# Altium PCB PCB_数电实验板_2022-03-12.pcbdoc (part 2 of 2)
Units mm, origin at the board's own origin, x right, y up, seen from the top; angles counter-clockwise.
Board outline 266.65 x 159.4 mm, 2 copper layers (Top Layer, Bottom Layer); 213 components, 166 nets, 778 pads, 0 vias.
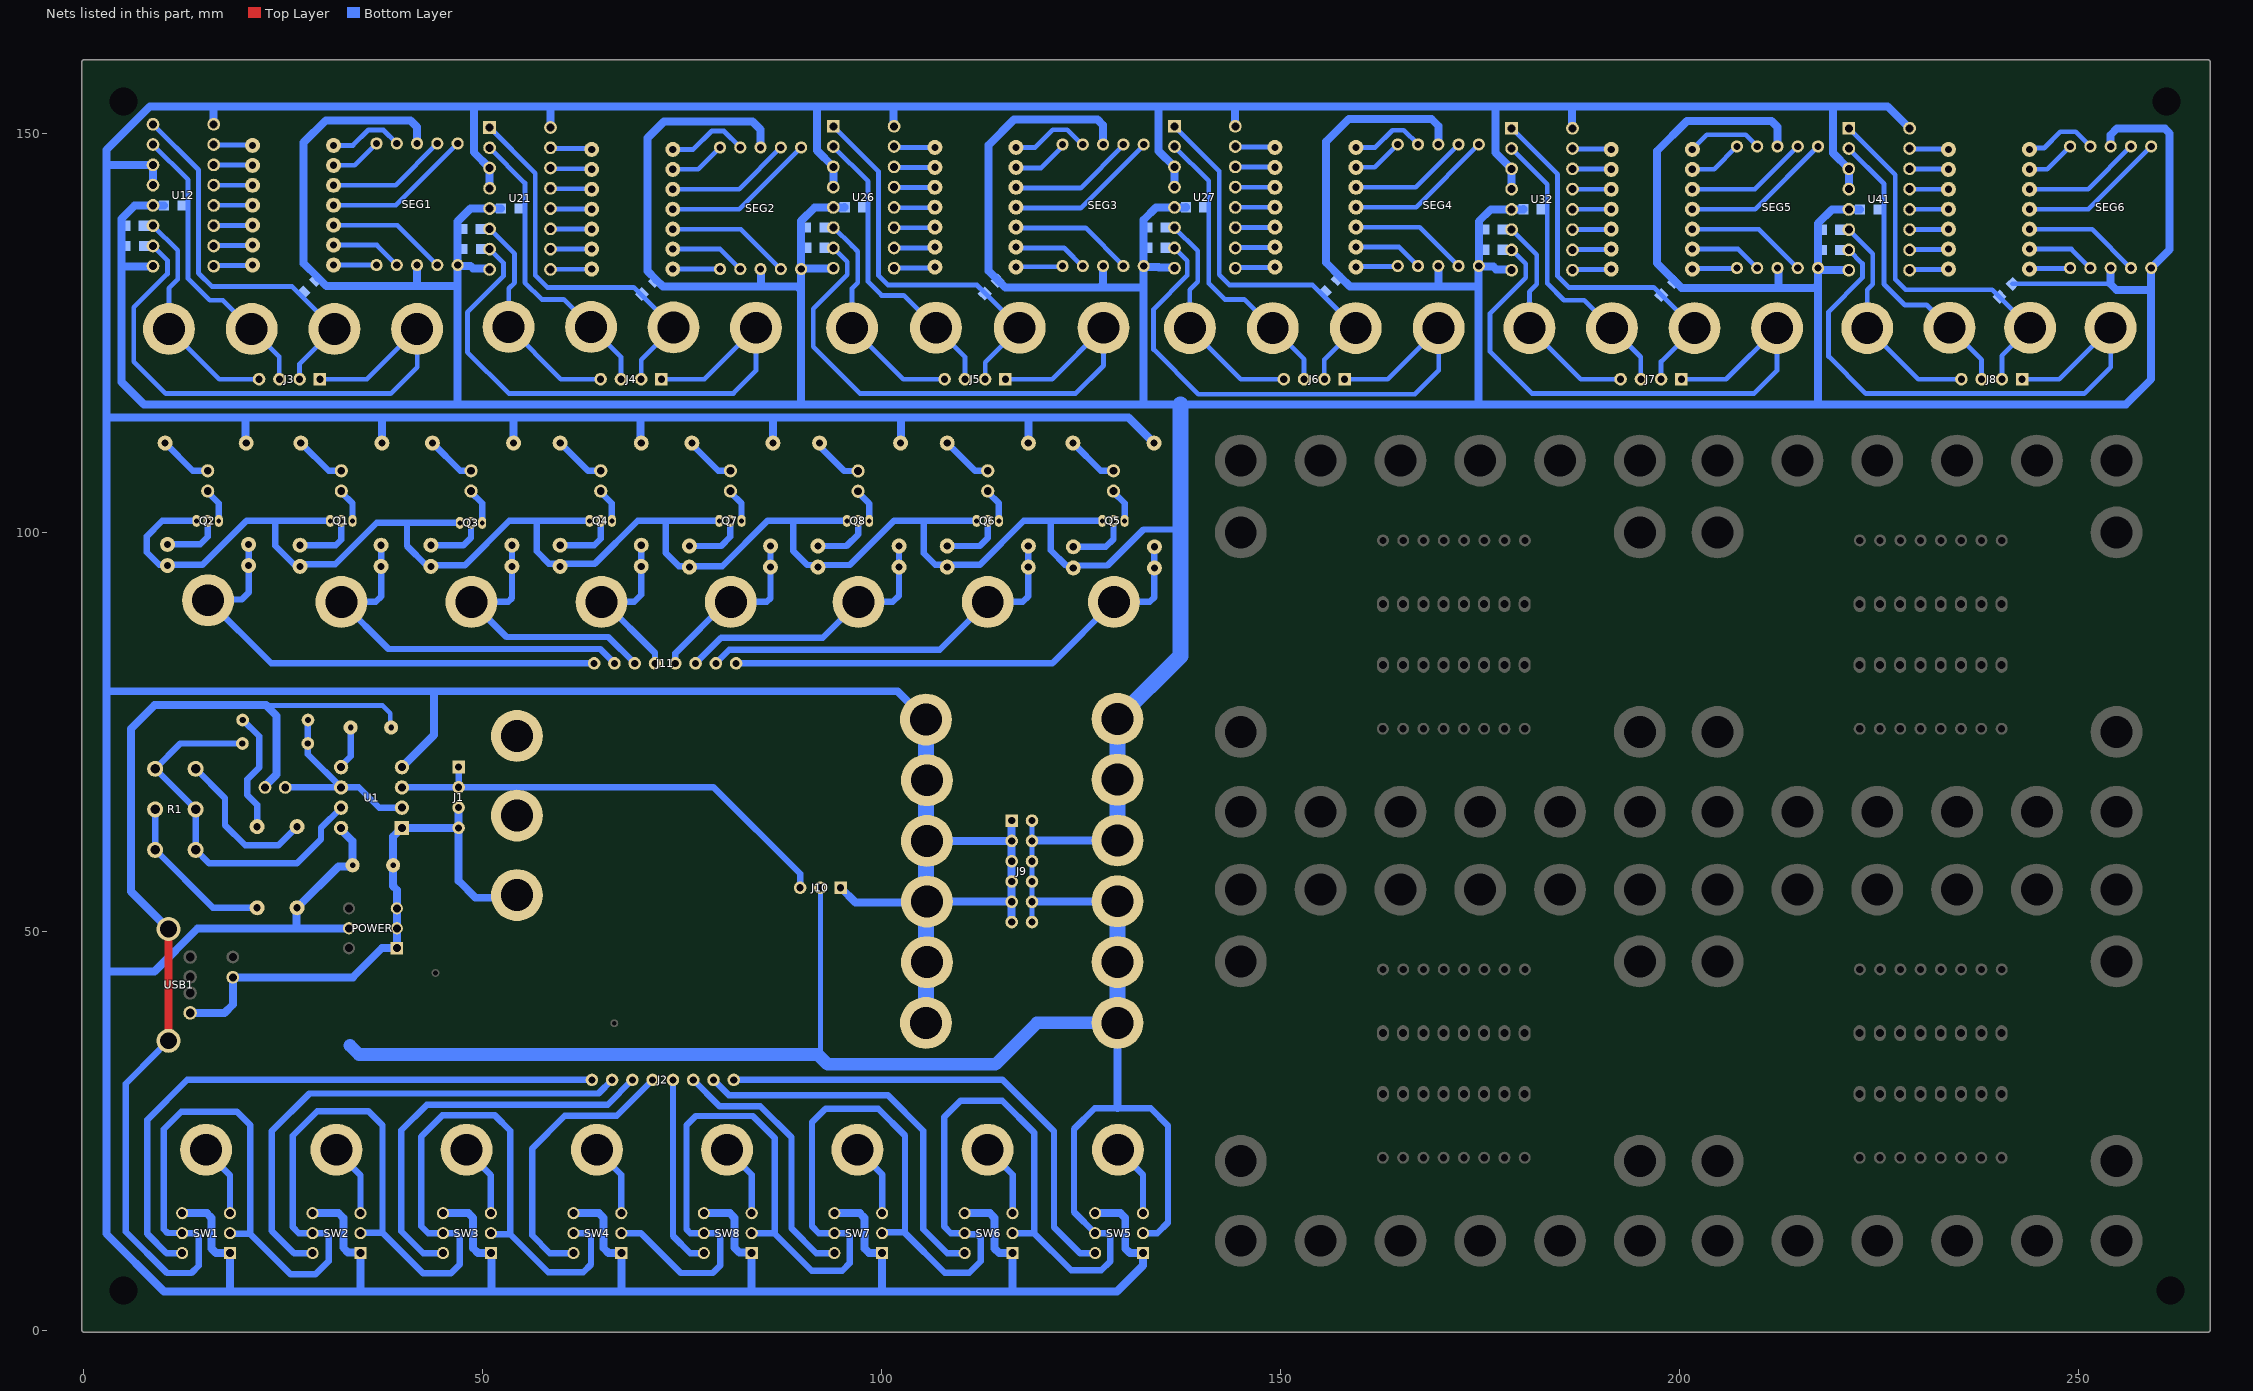
[diagram p2: the nets of this part, all layers, seen from the top]

## Nets (pads, with @x,y where several pads share a name; then routed paths per layer and width w, separated by ;. In a path a pad name is that pad's centre, name@x,y a point inside that pad or via, vN(x,y) a via of type N, cw(c..) or ccw(c..) an arc to the next point about the centre after c; other vN are vias at no path point) (continued)
GND: C1.2 C2.1 C3.1 C4.2 GND.1 J1.3 J1.4 J9.2 J9.4 J9.6 J9.8 J9.10 J9.12 J10.2 POWER.1 POWER.2 POWER.3 Q1.1 Q2.1 Q3.1 Q4.1 Q5.1 Q6.1 Q7.1 Q8.1 R62.1 R63.1 R64.1 R65.1 R66.1 R67.1 R68.1 R69.1 R70.2 R71.2 R72.2 R73.1 R74.2 R75.2 R76.2 R77.1 R78.2 R79.2 R80.2 R81.1 R82.2 R83.2 R84.2 R85.1 R86.2 R87.2 R88.2 R89.1 R90.2 R91.2 R92.2 R93.1 SEG1.3 SEG1.5 SEG1.8 SEG2.3 SEG2.5 SEG2.8 SEG3.3 SEG3.5 SEG3.8 SEG4.3 SEG4.5 SEG4.8 SEG5.3 SEG5.5 SEG5.8 SEG6.3 SEG6.5 SEG6.8 SW1.2 SW1.5 SW2.2 SW2.5 SW3.2 SW3.5 SW4.2 SW4.5 SW5.2 SW5.5 SW6.2 SW6.5 SW7.2 SW7.5 SW8.2 SW8.5 U1.1 U12.5 U12.8 U21.5 U21.8 U26.5 U26.8 U27.5 U27.8 U32.5 U32.8 U41.5 U41.8 U48.1 U49.1 U50.1 U51.1 U52.1 U53.1 USB1.4 USB1.SH1 USB1.SH2 | length 1909.2
  Top Layer w1: USB1.SH1@10.645,36.3 USB1.SH2@10.645,50.3
  Bottom Layer w0.6: 22.85,78.35 22.9,78.3 37.475,78.3 38.436,77.339 38.436,75.654 C2.1@38.54,75.55 ; 92,34.6 92.325,34.925 J10.2@92.325,55.475 ; J9.12@118.84,51.18 J9.10@118.84,53.72 ; J9.2@118.84,63.88 J9.4@118.84,61.34 J9.6@118.84,58.8 J9.8@118.84,56.26 J9.10@118.84,53.72 ; J9.10@118.872,53.752 J9.10@118.84,53.72 ; U52.1@129.518,53.752 U52.1@129.55,53.784 ; R93.1@241.707,131.15 254.225,131.15
  Bottom Layer w0.8: USB1.SH1@10.645,36.3 10.625,36.3 9.425,35.1 9.425,35.08 5.275,30.93 5.275,12.375 10.45,7.2 13.525,7.2 14.425,8.1 14.425,11.731 13.956,12.2 SW1.5@12.35,12.2 ; SW1.5@12.338,12.212 10.519,12.212 10.05,12.681 10.05,25.225 12.25,27.425 19.225,27.425 20.9,25.75 20.9,12.125 ; Q2.1@14.153,101.45 9.85,101.45 7.9,99.5 7.9,97.5 9.469,95.931 10.515,95.931 14.906,95.931 20.425,101.45 24.025,101.45 ; SW1.2@18.35,12.2 18.425,12.125 20.9,12.125 ; Q1.1@30.903,101.45 24.025,101.45 ; SW2.2@34.693,12.2 34.743,12.25 37.45,12.25 ; Q3.1@47.153,101.2 40.525,101.2 ; SW3.2@51.036,12.2 51.162,12.075 53.45,12.075 ; SW4.5@61.38,12.2 63.106,12.2 63.575,11.732 63.575,8.275 62.606,7.306 58.219,7.306 53.45,12.075 ; Q4.1@63.403,101.45 56.775,101.45 ; SW4.2@67.38,12.2 69.85,12.2 74.844,7.206 78.831,7.206 79.775,8.15 79.775,11.732 79.306,12.2 SW8.5@77.723,12.2 76.019,12.2 75.55,12.669 75.55,25.725 76.7,26.875 83.85,26.875 86.6,24.125 86.6,12.2 ; Q7.1@79.653,101.45 72.925,101.45 ; SW8.2@83.723,12.2 86.6,12.2 ; Q8.1@95.653,101.45 88.925,101.45 ; SW7.2@100.066,12.2 100.166,12.3 102.925,12.3 ; SW6.5@110.409,12.2 108.675,12.2 107.85,13.025 107.85,26.75 109.875,28.775 115.125,28.775 119.1,24.8 119.1,12.2 ; SW6.5@110.548,12.062 111.931,12.062 112.4,11.593 112.4,8.675 110.975,7.25 107.9,7.25 102.925,12.225 102.925,12.3 ; Q6.1@111.903,101.45 105.275,101.45 ; SW6.2@116.409,12.2 119.1,12.2 ; Q5.1@127.653,101.45 121.2,101.45 ; SW5.2@132.752,12.2 134.55,12.2 135.875,13.525 135.875,25.675 133.7,27.85 129.575,27.85 126.7,27.85 124.1,25.25 124.1,14.853 SW5.5@126.752,12.2 128.156,12.2 128.625,11.732 128.625,8.65 127.506,7.531 123.769,7.531 119.1,12.2 ; 137.425,100.369 132.819,100.369 128.3,95.85 124.015,95.85 123.1,95.85 121.2,97.75 121.2,101.45 ; 20.9,12.125 20.9,12.1 25.975,7.025 29.05,7.025 30.725,8.7 30.725,11.732 30.256,12.2 SW2.5@28.693,12.2 26.975,12.2 26.2,12.975 26.2,24.4 29.275,27.475 35.7,27.475 37.45,25.725 37.45,12.25 ; 24.025,101.45 24.025,98.325 26.35,96 27.12,96 31.55,96 36.75,101.2 40.525,101.2 ; 37.45,12.25 42.55,7.15 46,7.15 47.125,8.275 47.125,11.727 46.656,12.196 45.041,12.196 SW3.5@45.036,12.2 43.175,12.2 42.3,13.075 42.3,24.3 44.95,26.95 51.55,26.95 53.45,25.05 53.45,12.075 ; 40.525,101.2 40.525,98.3 42.925,95.9 47.8,95.9 53.35,101.45 56.775,101.45 ; 56.775,101.45 56.775,97.625 58.3,96.1 59.715,96.1 64.075,96.1 69.425,101.45 72.925,101.45 ; 72.925,101.45 72.925,97.45 74.6,95.775 75.908,95.775 80.025,95.775 85.7,101.45 88.925,101.45 ; 86.6,12.2 86.6,12.125 91.244,7.481 95.056,7.481 96.025,8.45 96.025,11.732 95.556,12.2 SW7.5@94.066,12.2 92.125,12.2 91.275,13.05 91.275,26.075 92.975,27.775 99.575,27.775 102.925,24.425 102.925,12.3 ; 88.925,101.45 88.925,97.675 90.675,95.925 92.015,95.925 96.025,95.925 101.55,101.45 105.275,101.45 ; 105.275,101.45 105.275,97.4 106.725,95.95 108.215,95.95 112.325,95.95 117.825,101.45 121.2,101.45
  Bottom Layer w1: U12.8@8.69,133.36 8.68,133.35 4.75,133.35 ; R72.2@10.089,140.975 10.086,140.978 8.693,140.978 U12.5@8.69,140.98 8.65,140.94 6.39,140.94 4.75,139.3 4.75,133.35 ; USB1.SH1@10.645,36.3 USB1.SH1@10.897,36.552 ; USB1.SH2@10.645,50.3 5.95,54.995 5.95,75.4 8.9,78.35 22.85,78.35 ; USB1.4@13.221,39.666 USB1.4@13.355,39.8 17.675,39.8 18.7,40.825 C4.2@18.7,44.26 33.735,44.26 37.375,47.9 POWER.1@39.25,47.9 POWER.2@39.25,50.4 POWER.3@39.25,52.9 39.25,55.225 38.79,55.685 C3.1@38.79,58.3 38.79,61.873 U1.1@39.888,62.971 39.897,62.981 46.99,62.981 J1.4@47,62.99 ; C1.2@22.73,68.05 22.73,68.212 24.175,69.657 24.175,77.025 22.9,78.3 ; SEG1.3@41.79,133.5 41.79,130.985 41.925,130.85 ; SEG1.8@41.79,148.74 41.79,150.81 40.975,151.625 30.35,151.625 27.575,148.85 27.575,133.725 29.4,131.9 30.45,130.85 41.925,130.85 ; J1.3@47,65.53 J1.4@47,62.99 ; U21.8@50.88,132.96 50.765,133.075 48.825,133.075 48.5,133.4 46.97,133.4 SEG1.5@46.87,133.5 ; R74.2@52.321,140.575 52.316,140.58 U21.5@50.88,140.58 48.48,140.58 46.87,138.97 SEG1.5@46.87,133.5 ; GND.1@54.3,54.55 53.975,54.225 49.125,54.225 47,56.35 J1.4@47,62.99 ; SEG2.3@84.83,133 84.875,132.955 84.875,130.8 ; SEG2.8@84.83,148.24 84.83,150.505 83.835,151.5 72.725,151.5 70.65,149.425 70.65,132.75 71.75,131.65 72.6,130.8 84.875,130.8 ; U26.8@93.94,133.11 93.885,133.055 89.965,133.055 SEG2.5@89.91,133 ; R78.2@95.371,140.75 95.361,140.74 93.95,140.74 U26.5@93.94,140.73 91.605,140.73 89.91,139.035 SEG2.5@89.91,133 ; J9.4@118.84,61.34 118.87,61.37 129.52,61.37 U51.1@129.55,61.4 ; J9.10@118.872,53.752 U52.1@129.518,53.752 ; SEG3.3@127.75,133.38 127.75,131.1 127.325,130.675 ; SEG3.8@127.75,148.62 127.75,151.025 127.05,151.725 116.575,151.725 113.414,148.564 113.414,132.761 114.588,131.587 115.5,130.675 127.325,130.675 ; U48.1@129.55,38.55 129.575,38.525 129.575,27.85 ; U27.8@136.69,133.11 136.575,133.225 134.725,133.225 134.67,133.28 132.93,133.28 SEG3.5@132.83,133.38 ; R82.2@138.121,140.75 138.111,140.74 136.7,140.74 U27.5@136.69,140.73 134.38,140.73 132.83,139.18 132.83,138.2 132.83,135.675 SEG3.5@132.83,133.38 ; SEG4.3@169.75,133.38 169.775,133.355 169.775,130.8 ; SEG4.8@169.75,148.62 169.75,150.95 168.875,151.825 158.55,151.825 155.7,148.975 155.7,133.8 157.45,132.05 158.7,130.8 169.775,130.8 ; U32.8@178.94,132.86 178.825,132.975 177,132.975 176.675,133.3 174.85,133.3 SEG4.5@174.8,133.35 ; R86.2@180.407,140.5 180.397,140.49 178.95,140.49 U32.5@178.94,140.48 176.33,140.48 174.83,138.98 SEG4.5@174.83,133.38 SEG4.5@174.8,133.35 ; SEG5.3@212.25,133.13 212.35,133.03 212.35,130.65 ; SEG5.8@212.25,148.37 212.25,150.8 211.5,151.55 200.9,151.55 197.125,147.775 197.125,133.75 199.566,131.309 200.225,130.65 212.35,130.65 ; U41.8@221.19,132.86 217.741,132.86 217.472,133.13 SEG5.5@217.33,133.13 ; R90.2@222.607,140.475 222.602,140.48 U41.5@221.19,140.48 219.08,140.48 217.33,138.73 217.33,137.925 217.33,135.4 SEG5.5@217.33,133.13 ; SEG6.3@254,133.13 253.95,133.08 253.95,131.15 254.75,130.35 259.08,130.35 ; SEG6.8@254,148.37 254,149.825 254.775,150.6 260.789,150.6 261.375,150.014 261.375,135.425 SEG6.5@259.08,133.13 259.08,130.35 ; 4.75,133.35 4.75,118.85 7.575,116.025 46.725,116.025 ; 41.925,130.85 46.72,130.85 46.87,130.7 ; 46.725,116.025 89.925,116.025 ; 46.725,116.025 46.87,116.17 46.87,130.7 ; 46.87,130.7 SEG1.5@46.87,133.5 ; 84.875,130.8 89.45,130.8 89.925,130.325 ; SEG2.5@89.91,133 89.925,132.985 89.925,130.8 89.925,130.325 ; 89.925,116.025 132.8,116.025 ; 89.925,116.025 89.925,130.325 ; 127.325,130.675 127.75,130.675 132.55,130.675 132.8,130.925 ; 132.8,116.025 132.8,130.925 ; 132.8,116.025 137.425,116.025 174.8,116.025 ; 132.8,130.925 132.8,133.35 SEG3.5@132.83,133.38 ; 169.775,130.8 174.8,130.8 ; 174.8,116.025 174.8,130.8 ; 174.8,116.025 217.325,116.025 ; 174.8,130.8 SEG4.5@174.8,133.35 ; 212.35,130.65 216.95,130.65 217.325,131.025 ; 217.325,116.025 217.325,130.65 217.325,131.025 ; 217.325,116.025 255.9,116.025 259.08,119.205 259.08,130.35 ; 217.325,131.025 217.33,131.03 SEG5.5@217.33,133.13
  Bottom Layer w1.6: 33.4,35.7 34.5,34.6 92,34.6 93.25,33.35 114.25,33.35 119.45,38.55 U48.1@129.55,38.55
  Bottom Layer w2: U48.1@129.55,38.55 U53.1@129.55,46.167 U52.1@129.55,53.784 ; U51.1@129.55,61.4 U50.1@129.55,69.017 U49.1@129.55,76.634 137.425,84.509 137.425,100.369 137.425,116.025
J2_2: J2.2 SW2.4 | length 64
  Bottom Layer w0.8: SW2.4@28.693,9.7 26.375,9.7 23.6,12.475 23.6,25 28.3,29.7 64.53,29.7 J2.2@66.23,31.4
J2_3: J2.3 SW3.4 | length 50.6
  Bottom Layer w0.8: SW3.4@45.036,9.7 42.55,9.7 39.8,12.45 39.8,25.075 43.025,28.3 65.67,28.3 J2.3@68.77,31.4
J2_4: J2.4 SW4.4 | length 35.6
  Bottom Layer w0.8: SW4.4@61.38,9.7 58.425,9.7 56.2,11.925 56.2,22.8 60.3,26.9 66.81,26.9 J2.4@71.31,31.4
J2_5: J2.5 SW8.4 | length 24.3
  Bottom Layer w0.8: J2.5@73.85,31.4 73.85,11.85 76,9.7 SW8.4@77.723,9.7
J2_6: J2.6 SW7.4 | length 33.3
  Bottom Layer w0.8: J2.6@76.39,31.4 79.69,28.1 84.8,28.1 88.7,24.2 88.7,12.8 91.8,9.7 SW7.4@94.066,9.7
J2_7: J2.7 SW6.4 | length 47.7
  Bottom Layer w0.8: J2.7@78.93,31.4 80.83,29.5 100.75,29.5 105.2,25.05 105.2,12.7 108.2,9.7 SW6.4@110.409,9.7
J2_8: J2.8 SW5.4 | length 61.3
  Bottom Layer w0.8: J2.8@81.47,31.4 115.15,31.4 121.6,24.95 121.6,12.95 124.85,9.7 SW5.4@126.752,9.7
J11_1: J11.1 R54.2 R62.2 U55.1 | length 63.2
  Bottom Layer w0.8: R54.2@20.68,98.5 20.68,92.48 19.8,91.6 15.7,91.6 U55.1@15.6,91.5 23.5,83.6 J11.1@63.98,83.6
J11_2: J11.2 R55.2 R63.2 U54.1 | length 49.1
  Bottom Layer w0.8: R55.2@37.28,98.4 37.28,91.98 36.6,91.3 U54.1@32.3,91.3 38.2,85.4 64.72,85.4 J11.2@66.52,83.6
J11_3: J11.3 R56.2 R64.2 U56.1 | length 35.5
  Bottom Layer w0.8: R56.2@53.68,98.4 53.68,91.78 53.2,91.3 U56.1@48.6,91.3 53,86.9 65.76,86.9 J11.3@69.06,83.6
J11_4: J11.4 R57.2 R65.2 U57.1 | length 21.9
  Bottom Layer w0.8: U57.1@64.9,91.3 U57.1@65.2,91.3 ; R57.2@69.88,98.4 69.88,92.18 69,91.3 U57.1@65.2,91.3 ; J11.4@71.6,83.6 71.6,84.9 U57.1@65.2,91.3
J11_5: J11.5 R58.2 R66.2 U60.1 | length 22.6
  Bottom Layer w0.8: J11.5@74.14,83.6 74.14,84.84 80.6,91.3 U60.1@81.1,91.3 85.611,91.3 86.08,91.769 R58.2@86.08,98.3
J11_6: J11.6 R59.2 R67.2 U61.1 | length 35.2
  Bottom Layer w0.8: J11.6@76.68,83.6 79.88,86.8 92.6,86.8 U61.1@97.1,91.3 101.4,91.3 102.18,92.08 R59.2@102.18,98.3
J11_7: J11.7 R60.2 R68.2 U59.1 | length 49
  Bottom Layer w0.8: J11.7@79.22,83.6 80.92,85.3 107.3,85.3 U59.1@113.3,91.3 117.7,91.3 118.38,91.98 R60.2@118.38,98.3
J11_8: J11.8 R61.2 R69.2 U58.1 | length 62.2
  Bottom Layer w0.8: J11.8@81.76,83.6 121.4,83.6 U58.1@129.1,91.3 133.6,91.3 134.18,91.88 R61.2@134.18,98.2
LED1_1: LED1.1 R46.1 | length 6.5
  Bottom Layer w0.8: R46.1@27.22,111.2 30.7,107.72 LED1.1@32.3,107.72
LED2_2: LED2.2 Q2.3 | length 4.3
  Bottom Layer w0.8: LED2.2@15.55,105.18 15.55,105.033 16.947,103.636 Q2.3@16.947,101.45
LED3_1: LED3.1 R48.1 | length 6.3
  Bottom Layer w0.8: R48.1@43.72,111.2 47.2,107.72 LED3.1@48.55,107.72
LED4_2: LED4.2 Q4.3 | length 4.3
  Bottom Layer w0.8: LED4.2@64.8,105.18 64.8,105.033 66.197,103.636 Q4.3@66.197,101.45
LED5_1: LED5.1 R50.1 | length 6.5
  Bottom Layer w0.8: R50.1@123.97,111.2 127.45,107.72 LED5.1@129.05,107.72
LED6_2: LED6.2 Q6.3 | length 4.3
  Bottom Layer w0.8: LED6.2@113.3,105.18 113.3,105.033 114.697,103.636 Q6.3@114.697,101.45
LED7_1: LED7.1 R52.1 | length 6.4
  Bottom Layer w0.8: R52.1@76.22,111.2 76.22,111.03 79.53,107.72 LED7.1@81.05,107.72
LED8_2: LED8.2 Q8.3 | length 4.3
  Bottom Layer w0.8: LED8.2@97.05,105.16 97.05,105.013 98.447,103.616 Q8.3@98.447,101.45
Q1_2: Q1.2 R55.1 | length 7.8
  Bottom Layer w0.8: R55.1@27.12,98.4 31.6,98.4 32.3,99.1 Q1.2@32.3,101.45
Q1_3: LED1.2 Q1.3 | length 4.3
  Bottom Layer w0.8: LED1.2@32.3,105.18 32.3,105.033 33.697,103.636 Q1.3@33.697,101.45
Q2_2: Q2.2 R54.1 | length 7.4
  Bottom Layer w0.8: R54.1@10.52,98.5 14.6,98.5 15.55,99.45 Q2.2@15.55,101.45
Q3_2: Q3.2 R56.1 | length 7.3
  Bottom Layer w0.8: R56.1@43.52,98.4 47.6,98.4 48.55,99.35 Q3.2@48.55,101.2
Q3_3: LED3.2 Q3.3 | length 4.6
  Bottom Layer w0.8: LED3.2@48.55,105.18 48.55,105.033 49.947,103.636 Q3.3@49.947,101.2
Q4_2: Q4.2 R57.1 | length 7.7
  Bottom Layer w0.8: R57.1@59.72,98.4 64,98.4 64.8,99.2 Q4.2@64.8,101.45
Q5_2: Q5.2 R61.1 | length 7.7
  Bottom Layer w0.8: R61.1@124.02,98.2 128.1,98.2 129.05,99.15 Q5.2@129.05,101.45
Q5_3: LED5.2 Q5.3 | length 4.3
  Bottom Layer w0.8: LED5.2@129.05,105.18 129.05,105.033 130.447,103.636 Q5.3@130.447,101.45
Q6_2: Q6.2 R60.1 | length 7.6
  Bottom Layer w0.8: R60.1@108.22,98.3 112.3,98.3 113.3,99.3 Q6.2@113.3,101.45
Q7_2: Q7.2 R58.1 | length 7.6
  Bottom Layer w0.8: R58.1@75.92,98.3 79.9,98.3 81.05,99.45 Q7.2@81.05,101.45
Q7_3: LED7.2 Q7.3 | length 4.3
  Bottom Layer w0.8: LED7.2@81.05,105.18 81.05,105.033 82.447,103.636 Q7.3@82.447,101.45
Q8_2: Q8.2 R59.1 | length 7.3
  Bottom Layer w0.8: R59.1@92.02,98.3 95.6,98.3 97.05,99.75 Q8.2@97.05,101.45
R1_1: R1.1 R2.1 | length 19.6
  Bottom Layer w0.8: R1.1@14.04,70.38 17.72,66.7 17.72,63.33 20.25,60.8 24.42,60.8 R2.1@26.75,63.13
R1_2: D1.2 R1.2 R1.3 R1.6 U1.7 | length 47.2
  Bottom Layer w0.8: D1.2@19.9,73.55 12.13,73.55 R1.6@8.96,70.38 R1.2@14.04,65.3 R1.3@14.04,60.22 15.71,58.55 26.75,58.55 29.75,61.55 29.75,62.993 U1.7@32.268,65.511
R1_4: R1.4 R1.5 R3.1 | length 20.9
  Bottom Layer w0.8: R1.5@8.96,65.3 R1.4@8.96,60.22 16.21,52.97 R3.1@21.75,52.97
R3_2: D2.1 R3.2 | length 15.4
  Bottom Layer w0.8: D2.1@19.925,76.5 19.95,76.5 22,74.45 22,70.55 20.5,69.05 20.5,67.107 21.75,65.857 R3.2@21.75,63.13
R11_1: R11.1 U21.14 | length 5.2
  Bottom Layer w0.6: U21.14@58.5,145.66 58.58,145.58 63.59,145.58 R11.1@63.67,145.5
R11_2: R11.2 SEG2.10 | length 7.1
  Bottom Layer w0.6: R11.2@73.83,145.5 77.01,145.5 SEG2.10@79.75,148.24
R12_1: R12.1 U21.15 | length 5.3
  Bottom Layer w0.6: U21.15@58.5,148.2 58.6,148.1 63.57,148.1 R12.1@63.67,148
R12_2: R12.2 SEG2.9 | length 10.3
  Bottom Layer w0.6: R12.2@73.83,148 76.4,148 78.7,150.3 80.23,150.3 SEG2.9@82.29,148.24
R13_1: R13.1 U21.9 | length 5.2
  Bottom Layer w0.6: U21.9@58.5,132.96 58.52,132.98 63.65,132.98 R13.1@63.67,133
R13_2: R13.2 SEG2.1 | length 5.9
  Bottom Layer w0.6: R13.2@73.83,133 SEG2.1@79.75,133
R14_1: R14.1 U21.10 | length 5.2
  Bottom Layer w0.6: U21.10@58.5,135.5 R14.1@63.67,135.5
R14_2: R14.2 SEG2.2 | length 9.5
  Bottom Layer w0.6: R14.2@73.83,135.5 79.79,135.5 SEG2.2@82.29,133
R15_1: R15.1 U21.11 | length 5.2
  Bottom Layer w0.6: U21.11@58.5,138.04 58.52,138.02 63.65,138.02 R15.1@63.67,138
R15_2: R15.2 SEG2.4 | length 15.6
  Bottom Layer w0.6: R15.2@73.83,138 82.37,138 SEG2.4@87.37,133
R16_1: R16.1 U21.12 | length 5.2
  Bottom Layer w0.6: U21.12@58.5,140.58 58.54,140.54 63.63,140.54 R16.1@63.67,140.5
R16_2: R16.2 SEG2.6 | length 19.3
  Bottom Layer w0.6: R16.2@73.83,140.5 82.17,140.5 SEG2.6@89.91,148.24
R17_1: R17.1 U21.13 | length 5.2
  Bottom Layer w0.6: U21.13@58.5,143.12 58.56,143.06 63.61,143.06 R17.1@63.67,143
R17_2: R17.2 SEG2.7 | length 15.7
  Bottom Layer w0.6: R17.2@73.83,143 82.13,143 SEG2.7@87.37,148.24
R18_1: R18.1 U26.14 | length 5.2
  Bottom Layer w0.6: U26.14@101.56,145.81 101.64,145.73 106.65,145.73 R18.1@106.73,145.65
R18_2: R18.2 SEG3.10 | length 7.2
  Bottom Layer w0.6: R18.2@116.89,145.65 119.95,145.65 122.67,148.37 SEG3.10@122.67,148.62
R19_1: R19.1 U26.15 | length 5.3
  Bottom Layer w0.6: U26.15@101.56,148.35 101.66,148.25 106.63,148.25 R19.1@106.73,148.15
R19_2: R19.2 SEG3.9 | length 10
  Bottom Layer w0.6: R19.2@116.83,148.25 119.25,148.25 121.45,150.45 123.25,150.45 125.08,148.62 SEG3.9@125.21,148.62
R20_1: R20.1 U26.9 | length 5.2
  Bottom Layer w0.6: U26.9@101.56,133.11 101.58,133.13 106.71,133.13 R20.1@106.73,133.15
R20_2: R20.2 SEG3.1 | length 5.9
  Bottom Layer w0.6: R20.2@116.83,133.25 116.88,133.3 122.59,133.3 SEG3.1@122.67,133.38
R21_1: R21.1 U26.10 | length 5.2
  Bottom Layer w0.6: U26.10@101.56,135.65 R21.1@106.73,135.65
R21_2: R21.2 SEG3.2 | length 9.5
  Bottom Layer w0.6: R21.2@116.89,135.65 122.85,135.65 SEG3.2@125.35,133.15
R22_1: R22.1 U26.11 | length 5.2
  Bottom Layer w0.6: U26.11@101.56,138.19 101.58,138.17 106.71,138.17 R22.1@106.73,138.15
R22_2: R22.2 SEG3.4 | length 15.4
  Bottom Layer w0.6: R22.2@116.89,138.15 125.55,138.15 130.29,133.41 SEG3.4@130.29,133.38
R23_1: R23.1 U26.12 | length 5.2
  Bottom Layer w0.6: U26.12@101.56,140.73 101.6,140.69 106.69,140.69 R23.1@106.73,140.65
R23_2: R23.2 SEG3.6 | length 19.3
  Bottom Layer w0.6: R23.2@116.89,140.65 124.95,140.65 132.83,148.53 SEG3.6@132.83,148.62
R24_1: R24.1 U26.13 | length 5.2
  Bottom Layer w0.6: U26.13@101.56,143.27 101.62,143.21 106.67,143.21 R24.1@106.73,143.15
R24_2: R24.2 SEG3.7 | length 15.7
  Bottom Layer w0.6: R24.2@116.89,143.15 124.95,143.15 130.29,148.49 SEG3.7@130.29,148.62
R39_1: R39.1 U41.14 | length 4.9
  Bottom Layer w0.6: U41.14@228.81,145.56 228.84,145.53 233.64,145.53 R39.1@233.67,145.5
R39_2: R39.2 SEG6.10 | length 6.3
  Bottom Layer w0.6: R39.2@243.83,145.5 246.05,145.5 SEG6.10@248.92,148.37
R40_1: R40.1 U41.15 | length 4.9
  Bottom Layer w0.6: U41.15@228.81,148.1 228.86,148.05 233.62,148.05 R40.1@233.67,148
R40_2: R40.2 SEG6.9 | length 9.3
  Bottom Layer w0.6: R40.2@243.83,148 244,148.17 245.67,148.17 247.7,150.2 249.63,150.2 SEG6.9@251.46,148.37
R41_1: R41.1 U41.9 | length 4.9
  Bottom Layer w0.6: U41.9@228.81,132.86 228.88,132.93 233.6,132.93 R41.1@233.67,133
R41_2: R41.2 SEG6.1 | length 5.1
  Bottom Layer w0.6: R41.2@243.83,133 243.895,133.065 248.855,133.065 SEG6.1@248.92,133.13
R42_1: R42.1 U41.10 | length 4.9
  Bottom Layer w0.6: U41.10@228.81,135.4 228.86,135.45 233.62,135.45 R42.1@233.67,135.5
R42_2: R42.2 SEG6.2 | length 8.6
  Bottom Layer w0.6: R42.2@243.83,135.5 249.09,135.5 SEG6.2@251.46,133.13
R43_1: R43.1 U41.11 | length 4.9
  Bottom Layer w0.6: U41.11@228.81,137.94 228.84,137.97 233.64,137.97 R43.1@233.67,138
R43_2: R43.2 SEG6.4 | length 14.7
  Bottom Layer w0.6: R43.2@243.83,138 251.67,138 SEG6.4@256.54,133.13
R44_1: R44.1 U41.12 | length 4.9
  Bottom Layer w0.6: U41.12@228.81,140.48 228.82,140.49 233.66,140.49 R44.1@233.67,140.5
R44_2: R44.2 SEG6.6 | length 18.5
  Bottom Layer w0.6: R44.2@243.83,140.5 251.21,140.5 SEG6.6@259.08,148.37
R45_1: R45.1 U41.13 | length 4.9
  Bottom Layer w0.6: U41.13@228.81,143.02 228.82,143.01 233.66,143.01 R45.1@233.67,143
R45_2: R45.2 SEG6.7 | length 14.9
  Bottom Layer w0.6: R45.2@243.83,143 251.17,143 SEG6.7@256.54,148.37
R47_1: LED2.1 R47.1 | length 6.8
  Bottom Layer w0.8: R47.1@10.22,111.2 13.7,107.72 LED2.1@15.55,107.72
R49_1: LED4.1 R49.1 | length 6.5
  Bottom Layer w0.8: R49.1@59.72,111.2 63.2,107.72 LED4.1@64.8,107.72
R51_1: LED6.1 R51.1 | length 6.5
  Bottom Layer w0.8: R51.1@108.22,111.2 111.7,107.72 LED6.1@113.3,107.72
R53_1: LED8.1 R53.1 | length 6.5
  Bottom Layer w0.8: R53.1@92.22,111.2 92.427,110.993 92.427,110.573 95.3,107.7 LED8.1@97.05,107.7
SEG1_1: R8.2 SEG1.1 | length 5.4
  Bottom Layer w0.6: R8.2@31.33,133.5 SEG1.1@36.71,133.5
SEG1_2: R7.2 SEG1.2 | length 9
  Bottom Layer w0.6: R7.2@31.33,136 36.75,136 SEG1.2@39.25,133.5
SEG1_4: R6.2 SEG1.4 | length 15.1
  Bottom Layer w0.6: R6.2@31.33,138.5 39.33,138.5 SEG1.4@44.33,133.5
SEG1_6: R5.2 SEG1.6 | length 18.7
  Bottom Layer w0.6: R5.2@31.33,141 39.13,141 SEG1.6@46.87,148.74
SEG1_7: R4.2 SEG1.7 | length 15.2
  Bottom Layer w0.6: R4.2@31.33,143.5 39.09,143.5 SEG1.7@44.33,148.74
SEG1_9: R9.2 SEG1.9 | length 9.4
  Bottom Layer w0.6: R9.2@31.33,148.5 33.75,148.5 35.675,150.425 37.565,150.425 SEG1.9@39.25,148.74
SEG1_10: R10.2 SEG1.10 | length 6.5
  Bottom Layer w0.6: R10.2@31.33,146 33.97,146 SEG1.10@36.71,148.74
SEG4_1: R29.2 SEG4.1 | length 5.3
  Bottom Layer w0.6: R29.2@159.43,133.25 159.495,133.315 164.605,133.315 SEG4.1@164.67,133.38
SEG4_2: R28.2 SEG4.2 | length 8.8
  Bottom Layer w0.6: R28.2@159.43,135.75 164.84,135.75 SEG4.2@167.21,133.38
SEG4_4: R27.2 SEG4.4 | length 14.9
  Bottom Layer w0.6: R27.2@159.43,138.25 167.42,138.25 SEG4.4@172.29,133.38
SEG4_6: R26.2 SEG4.6 | length 18.7
  Bottom Layer w0.6: R26.2@159.43,140.75 166.96,140.75 SEG4.6@174.83,148.62
SEG4_7: R25.2 SEG4.7 | length 15.1
  Bottom Layer w0.6: R25.2@159.43,143.25 166.92,143.25 SEG4.7@172.29,148.62
SEG4_9: R30.2 SEG4.9 | length 9.4
  Bottom Layer w0.6: R30.2@159.43,148.25 161.863,148.25 164.013,150.4 165.43,150.4 SEG4.9@167.21,148.62
SEG4_10: R31.2 SEG4.10 | length 6.4
  Bottom Layer w0.6: R31.2@159.43,145.75 161.8,145.75 SEG4.10@164.67,148.62
SEG5_1: R36.2 SEG5.1 | length 5.6
  Bottom Layer w0.6: R36.2@201.58,133 201.645,133.065 207.105,133.065 SEG5.1@207.17,133.13
SEG5_2: R35.2 SEG5.2 | length 9.1
  Bottom Layer w0.6: R35.2@201.58,135.5 207.34,135.5 SEG5.2@209.71,133.13
SEG5_4: R34.2 SEG5.4 | length 15.2
  Bottom Layer w0.6: R34.2@201.58,138 209.92,138 SEG5.4@214.79,133.13
SEG5_6: R33.2 SEG5.6 | length 19
  Bottom Layer w0.6: R33.2@201.58,140.5 209.46,140.5 SEG5.6@217.33,148.37
SEG5_7: R32.2 SEG5.7 | length 15.4
  Bottom Layer w0.6: R32.2@201.58,143 209.42,143 SEG5.7@214.79,148.37
SEG5_9: R37.2 SEG5.9 | length 9.5
  Bottom Layer w0.6: R37.2@201.58,148 203.412,149.832 208.248,149.832 SEG5.9@209.71,148.37
SEG5_10: R38.2 SEG5.10 | length 6.8
  Bottom Layer w0.6: R38.2@201.58,145.5 204.3,145.5 SEG5.10@207.17,148.37
SW1_3: SW1.3 U5.1 | length 9.2
  Bottom Layer w0.8: U5.1@15.35,22.65 15.35,22.433 18.35,19.433 SW1.3@18.35,14.7
SW1_4: J2.1 SW1.4 | length 77.4
  Bottom Layer w0.8: SW1.4@12.35,9.7 10.4,9.7 8,12.1 8,26.4 13,31.4 J2.1@63.69,31.4
SW5_3: SW5.3 U8.1 | length 9.3
  Bottom Layer w0.8: U8.1@129.6,22.65 132.752,19.498 SW5.3@132.752,14.7
SW6_3: SW6.3 U9.1 | length 9.2
  Bottom Layer w0.8: U9.1@113.279,22.65 116.409,19.519 SW6.3@116.409,14.7
SW7_3: SW7.3 U10.1 | length 9.2
  Bottom Layer w0.8: U10.1@96.957,22.65 100.066,19.541 SW7.3@100.066,14.7
U1_2: C1.1 D1.1 D2.2 U1.2 U1.6 | length 25.8
  Bottom Layer w0.8: C1.1@25.27,68.05 U1.6@32.25,68.05 ; D2.2@28.1,76.5 D1.1@28.1,73.55 28.1,72.2 U1.6@32.25,68.05 ; U1.2@39.888,65.511 37.039,65.511 34.499,68.051 U1.6@32.268,68.051 U1.6@32.268,68.051 U1.6@32.25,68.05
U1_3: Frequency1.1 Frequency.1 J1.1 J1.2 J10.3 U1.3 | length 58.7
  Bottom Layer w0.8: U1.3@39.888,68.051 39.897,68.061 46.99,68.061 J1.2@47,68.07 ; J1.1@47,70.61 J1.2@47,68.07 ; J10.3@89.785,55.475 89.785,57.215 78.93,68.07 54.3,68.07 J1.2@47,68.07
U1_5: C2.2 U1.5 | length 5.5
  Bottom Layer w0.8: U1.5@32.268,70.591 32.268,70.753 33.46,71.945 C2.2@33.46,75.55
U4_1: SW2.3 U4.1 | length 9.2
  Bottom Layer w0.8: U4.1@31.671,22.65 31.671,22.477 34.693,19.455 SW2.3@34.693,14.7
U6_1: SW3.3 U6.1 | length 9.2
  Bottom Layer w0.8: U6.1@47.993,22.65 47.993,22.52 51.036,19.477 SW3.3@51.036,14.7
U7_1: SW4.3 U7.1 | length 9.2
  Bottom Layer w0.8: U7.1@64.314,22.65 64.314,22.564 67.38,19.499 SW4.3@67.38,14.7
U11_1: SW8.3 U11.1 | length 9.2
  Bottom Layer w0.8: U11.1@80.636,22.65 80.636,22.607 83.723,19.52 SW8.3@83.723,14.7
U12_1: J3.2 R73.2 U12.1 U14.1 | length 49
  Bottom Layer w0.6: U12.1@8.69,151.14 14.4,145.43 14.4,132.5 16.1,130.8 26.133,130.8 U14.1@31.433,125.5 27.07,121.137 J3.2@27.07,119.2
U12_2: J3.3 R72.1 U12.2 U15.1 | length 36.9
  Bottom Layer w0.6: U12.2@8.69,148.6 13.1,144.191 13.1,131.8 15.8,129.1 17.467,129.1 U15.1@21.067,125.5 24.53,122.037 J3.3@24.53,119.2
U12_6: J3.4 R70.1 U12.6 U16.1 | length 28.6
  Bottom Layer w0.6: U12.6@8.69,138.44 11.8,135.331 11.8,131.7 10.7,130.6 U16.1@10.7,125.5 17,119.2 J3.4@21.99,119.2
U12_7: J3.1 R71.1 U12.7 U13.1 | length 75.1
  Bottom Layer w0.6: U12.7@8.69,135.9 10.5,134.091 10.5,132.4 6.3,128.2 6.3,121.4 10.3,117.4 38.5,117.4 41.8,120.7 U13.1@41.8,125.5 35.5,119.2 J3.1@29.61,119.2
U12_9: R8.1 U12.9 | length 4.9
  Bottom Layer w0.6: U12.9@16.31,133.36 16.38,133.43 21.1,133.43 R8.1@21.17,133.5
U12_10: R7.1 U12.10 | length 4.9
  Bottom Layer w0.6: U12.10@16.31,135.9 16.36,135.95 21.12,135.95 R7.1@21.17,136
U12_11: R6.1 U12.11 | length 4.9
  Bottom Layer w0.6: U12.11@16.31,138.44 16.34,138.47 21.14,138.47 R6.1@21.17,138.5
U12_12: R5.1 U12.12 | length 4.9
  Bottom Layer w0.6: U12.12@16.31,140.98 16.32,140.99 21.16,140.99 R5.1@21.17,141
U12_13: R4.1 U12.13 | length 4.9
  Bottom Layer w0.6: U12.13@16.31,143.52 16.32,143.51 21.16,143.51 R4.1@21.17,143.5
U12_14: R10.1 U12.14 | length 4.9
  Bottom Layer w0.6: U12.14@16.31,146.06 16.34,146.03 21.14,146.03 R10.1@21.17,146
U12_15: R9.1 U12.15 | length 4.9
  Bottom Layer w0.6: U12.15@16.31,148.6 16.36,148.55 21.12,148.55 R9.1@21.17,148.5
U17_1: J4.4 R75.1 U17.1 U21.6 | length 28.1
  Bottom Layer w0.6: U21.6@50.88,138.04 54,134.92 54,131.3 53.267,130.567 U17.1@53.267,125.75 59.817,119.2 J4.4@64.79,119.2
U18_1: J4.3 R74.1 U18.1 U21.2 | length 37.4
  Bottom Layer w0.6: U21.2@50.88,148.2 55.3,143.78 55.3,131.3 57.4,129.2 60.144,129.2 U18.1@63.594,125.75 67.33,122.014 J4.3@67.33,119.2
U19_1: J4.2 R77.2 U19.1 U21.1 | length 49.1
  Bottom Layer w0.6: U21.1@50.88,150.74 56.6,145.02 56.6,132.2 58.1,130.7 68.922,130.7 U19.1@73.922,125.7 69.87,121.648 J4.2@69.87,119.2
U20_1: J4.1 R76.1 U20.1 U21.7 | length 74.9
  Bottom Layer w0.6: U21.7@50.88,135.5 52.6,133.78 52.6,132.1 48.1,127.6 48.1,122.6 53.275,117.425 81.425,117.425 84.25,120.25 U20.1@84.25,125.65 77.8,119.2 J4.1@72.41,119.2
U22_1: J5.4 R79.1 U22.1 U26.6 | length 28.4
  Bottom Layer w0.6: U26.6@93.94,138.19 94.01,138.19 96.3,135.9 97,135.2 97,131.3 96.3,130.6 U22.1@96.3,125.6 102.7,119.2 J5.4@107.89,119.2
U23_1: J5.3 R78.1 U23.1 U26.2 | length 37.6
  Bottom Layer w0.6: U26.2@93.94,148.35 98.3,143.991 98.3,131.4 100,129.7 102.75,129.7 110.43,122.02 J5.3@110.43,119.2
U24_1: J5.2 R81.2 U24.1 U26.1 | length 49.7
  Bottom Layer w0.6: U26.1@93.94,150.89 99.6,145.23 99.6,132.2 100.8,131 111.95,131 112.978,129.971 U24.1@117.3,125.65 112.97,121.32 J5.2@112.97,119.2
U25_1: J5.1 R80.1 U25.1 U26.7 | length 74.8
  Bottom Layer w0.6: U26.7@93.94,135.65 95.7,133.891 95.7,132.3 91.425,128.025 91.425,123.275 97.275,117.425 124.325,117.425 127.8,120.9 U25.1@127.8,125.65 121.35,119.2 J5.1@115.51,119.2
U27_1: J6.2 R85.2 U27.1 U29.1 | length 48.8
  Bottom Layer w0.6: U27.1@136.69,150.89 142.3,145.28 142.3,132.3 143.6,131 154.006,131 155.381,129.624 U29.1@159.406,125.6 155.47,121.664 J6.2@155.47,119.2
U27_2: J6.3 R82.1 U27.2 U30.1 | length 37.3
  Bottom Layer w0.6: U27.2@136.69,148.35 141,144.041 141,131.2 143,129.2 145.411,129.2 U30.1@149.011,125.6 152.93,121.681 J6.3@152.93,119.2
U27_6: J6.4 R83.1 U27.6 U31.1 | length 28.6
  Bottom Layer w0.6: U27.6@136.69,138.19 139.6,135.281 139.6,131.4 138.617,130.417 U31.1@138.617,125.6 145.017,119.2 J6.4@150.39,119.2
U27_7: J6.1 R84.1 U27.7 U28.1 | length 74.2
  Bottom Layer w0.6: U27.7@136.69,135.65 138.3,134.041 138.3,132.2 134.075,127.975 134.075,122.925 139.675,117.325 166.825,117.325 169.8,120.3 U28.1@169.8,125.6 163.4,119.2 J6.1@158.01,119.2
U27_9: R29.1 U27.9 | length 5
  Bottom Layer w0.6: U27.9@144.31,133.11 144.38,133.18 149.2,133.18 R29.1@149.27,133.25
U27_10: R28.1 U27.10 | length 5
  Bottom Layer w0.6: U27.10@144.31,135.65 144.36,135.7 149.22,135.7 R28.1@149.27,135.75
U27_11: R27.1 U27.11 | length 5
  Bottom Layer w0.6: U27.11@144.31,138.19 144.34,138.22 149.24,138.22 R27.1@149.27,138.25
U27_12: R26.1 U27.12 | length 5
  Bottom Layer w0.6: U27.12@144.31,140.73 144.32,140.74 149.26,140.74 R26.1@149.27,140.75
U27_13: R25.1 U27.13 | length 5
  Bottom Layer w0.6: U27.13@144.31,143.27 144.32,143.26 149.26,143.26 R25.1@149.27,143.25
U27_14: R31.1 U27.14 | length 5
  Bottom Layer w0.6: U27.14@144.31,145.81 144.34,145.78 149.24,145.78 R31.1@149.27,145.75
U27_15: R30.1 U27.15 | length 5
  Bottom Layer w0.6: U27.15@144.31,148.35 144.36,148.3 149.22,148.3 R30.1@149.27,148.25
U32_1: J7.2 R89.2 U32.1 U34.1 | length 48.9
  Bottom Layer w0.6: U32.1@178.94,150.64 184.7,144.88 184.7,132.1 186.1,130.7 196.756,130.7 197.856,129.599 U34.1@201.856,125.6 197.67,121.414 J7.2@197.67,119.2
U32_2: J7.3 R86.1 U32.2 U35.1 | length 37.1
  Bottom Layer w0.6: U32.2@178.94,148.1 183.4,143.641 183.4,131.2 185.5,129.1 188.011,129.1 U35.1@191.511,125.6 195.13,121.981 J7.3@195.13,119.2
U32_6: J7.4 R87.1 U32.6 U36.1 | length 28.1
  Bottom Layer w0.6: U32.6@178.94,137.94 182.1,134.781 182.1,131.1 181.167,130.167 U36.1@181.167,125.6 181.2,125.6 187.6,119.2 J7.4@192.59,119.2
U32_7: J7.1 R88.1 U32.7 U33.1 | length 74.6
  Bottom Layer w0.6: U32.7@178.94,135.4 180.7,133.641 180.7,131.9 176.225,127.425 176.225,122.675 181.5,117.4 209.3,117.4 212.2,120.3 U33.1@212.2,125.6 205.8,119.2 J7.1@200.21,119.2
U32_9: R36.1 U32.9 | length 4.9
  Bottom Layer w0.6: U32.9@186.56,132.86 186.63,132.93 191.35,132.93 R36.1@191.42,133
U32_10: R35.1 U32.10 | length 4.9
  Bottom Layer w0.6: U32.10@186.56,135.4 186.61,135.45 191.37,135.45 R35.1@191.42,135.5
U32_11: R34.1 U32.11 | length 4.9
  Bottom Layer w0.6: U32.11@186.56,137.94 186.59,137.97 191.39,137.97 R34.1@191.42,138
U32_12: R33.1 U32.12 | length 4.9
  Bottom Layer w0.6: U32.12@186.56,140.48 186.57,140.49 191.41,140.49 R33.1@191.42,140.5
U32_13: R32.1 U32.13 | length 4.9
  Bottom Layer w0.6: U32.13@186.56,143.02 186.57,143.01 191.41,143.01 R32.1@191.42,143
U32_14: R38.1 U32.14 | length 4.9
  Bottom Layer w0.6: U32.14@186.56,145.56 186.59,145.53 191.39,145.53 R38.1@191.42,145.5
U32_15: R37.1 U32.15 | length 4.9
  Bottom Layer w0.6: U32.15@186.56,148.1 186.61,148.05 191.37,148.05 R37.1@191.42,148
U37_1: J8.4 R91.1 U37.1 U41.6 | length 28.3
  Bottom Layer w0.6: U41.6@221.19,137.94 224.2,134.931 224.2,131.1 223.5,130.4 U37.1@223.5,125.6 229.9,119.2 J8.4@235.29,119.2
U38_1: J8.3 R90.1 U38.1 U41.2 | length 37.4
  Bottom Layer w0.6: U41.2@221.19,148.1 225.6,143.691 225.6,131.1 228.2,128.5 230.95,128.5 U38.1@233.8,125.65 237.83,121.62 J8.3@237.83,119.2
U39_1: J8.2 R93.2 U39.1 U41.1 | length 48.7
  Bottom Layer w0.6: U41.1@221.19,150.64 227,144.83 227,131.7 228.3,130.4 239.15,130.4 U39.1@243.9,125.65 240.37,122.12 J8.2@240.37,119.2
U40_1: J8.1 R92.1 U40.1 U41.7 | length 73.2
  Bottom Layer w0.6: U41.7@221.19,135.4 222.9,133.691 222.9,131.9 218.65,127.65 218.65,122.05 223.3,117.4 250.7,117.4 254,120.7 U40.1@254,125.65 247.55,119.2 J8.1@242.91,119.2
VCC: C3.2 J9.1 J9.3 J9.5 J9.7 J9.9 J9.11 J10.1 POWER.5 R2.2 R46.2 R47.2 R48.2 R49.2 R50.2 R51.2 R52.2 R53.2 SW1.1 SW1.6 SW2.1 SW2.6 SW3.1 SW3.6 SW4.1 SW4.6 SW5.1 SW5.6 SW6.1 SW6.6 SW7.1 SW7.6 SW8.1 SW8.6 U1.4 U1.8 U12.3 U12.4 U12.16 U21.3 U21.4 U21.16 U26.3 U26.4 U26.16 U27.3 U27.4 U27.16 U32.3 U32.4 U32.16 U41.3 U41.4 U41.16 U42.1 U43.1 U44.1 U45.1 U46.1 U47.1 | length 1097
  Bottom Layer w1: 3.1,114.4 20.3,114.4 ; U12.4@8.69,143.52 U12.3@8.69,146.06 2.85,146.06 ; SW1.6@12.35,14.7 15.439,14.7 16.025,14.114 16.025,10.286 16.611,9.7 SW1.1@18.35,9.7 18.35,4.9 ; U12.16@16.31,151.14 16.3,151.151 16.3,153.4 ; R47.2@20.38,111.2 20.3,111.28 20.3,114.4 ; SW2.6@28.693,14.7 31.964,14.7 32.55,14.114 32.55,10.374 33.136,9.788 34.605,9.788 34.7,9.693 34.7,4.9 ; U1.8@32.268,62.971 32.268,62.755 33.71,61.313 C3.2@33.71,58.3 33.561,58.151 31.931,58.151 R2.2@26.75,52.97 26.7,52.92 26.7,50.4 ; POWER.5@33.25,50.4 26.7,50.4 ; R46.2@37.38,111.2 37.4,111.22 37.4,114.4 ; U1.4@39.888,70.591 43.9,74.603 43.9,80.1 ; SW3.6@45.036,14.7 48.239,14.7 48.825,14.114 48.825,10.306 49.411,9.72 50.774,9.72 SW3.1@50.774,9.7 ; U21.4@50.88,143.12 U21.3@50.88,145.66 48.9,147.64 48.9,153.4 ; SW3.1@51.1,9.637 51.1,4.9 ; R48.2@53.88,111.2 53.9,111.22 53.9,114.4 ; U21.16@58.5,150.74 58.5,153.4 ; SW4.6@61.38,14.7 64.589,14.7 65.175,14.114 65.175,10.312 65.761,9.727 67.353,9.727 SW4.1@67.38,9.7 67.38,4.92 67.4,4.9 ; R49.2@69.88,111.2 69.8,111.28 69.8,114.4 ; SW8.6@77.723,14.7 80.989,14.7 81.575,14.114 81.575,10.369 82.161,9.783 83.639,9.783 SW8.1@83.723,9.7 83.723,4.977 83.8,4.9 ; R52.2@86.38,111.2 86.4,111.22 86.4,114.4 ; U26.4@93.94,143.27 U26.3@93.94,145.81 91.9,147.851 91.9,153.4 ; SW7.6@94.066,14.7 97.264,14.7 97.85,14.114 97.85,10.301 98.436,9.715 100.051,9.715 SW7.1@100.066,9.7 100.066,4.934 100.1,4.9 ; J10.1@94.865,55.475 96.712,53.628 105.55,53.628 U44.1@105.672,53.75 105.687,53.735 116.285,53.735 J9.9@116.3,53.72 ; U26.16@101.56,150.89 101.5,150.951 101.5,153.4 ; R53.2@102.38,111.2 102.4,111.22 102.4,114.4 ; U47.1@105.55,76.55 102,80.1 43.9,80.1 ; U43.1@105.672,61.35 105.677,61.345 116.295,61.345 J9.3@116.3,61.34 ; SW6.6@110.409,14.7 113.564,14.7 114.15,14.114 114.15,10.286 114.736,9.7 SW6.1@116.409,9.7 116.409,4.991 116.5,4.9 ; J9.11@116.3,51.18 J9.9@116.3,53.72 ; J9.1@116.3,63.88 J9.3@116.3,61.34 ; R51.2@118.38,111.2 118.4,111.22 118.4,114.4 ; SW5.6@126.752,14.7 129.939,14.7 130.525,14.114 130.525,10.29 131.111,9.704 132.749,9.704 SW5.1@132.752,9.7 132.752,8.152 129.5,4.9 116.5,4.9 ; R50.2@134.13,111.2 130.93,114.4 118.4,114.4 ; U27.4@136.69,143.27 U27.3@136.69,145.81 134.7,147.801 134.7,153.4 ; U27.16@144.31,150.89 144.3,150.901 144.3,153.4 ; U32.4@178.94,143.02 U32.3@178.94,145.56 176.9,147.601 176.9,153.4 ; U32.16@186.56,150.64 186.5,150.701 186.5,153.4 ; U41.4@221.19,143.02 U41.3@221.19,145.56 219.2,147.551 219.2,153.4 ; U41.16@228.81,150.64 226.051,153.4 219.2,153.4 ; 2.85,45 2.85,12.125 10.075,4.9 18.35,4.9 ; 2.85,45 8.9,45 14.3,50.4 26.7,50.4 ; 2.85,45 2.85,47.55 2.85,80.1 ; 2.85,80.1 2.85,114.4 2.85,146.06 ; 2.85,80.1 43.9,80.1 ; 2.85,146.06 2.85,147.925 8.325,153.4 16.3,153.4 ; 16.3,153.4 48.9,153.4 ; 18.35,4.9 34.7,4.9 ; 20.3,114.4 37.4,114.4 ; 34.7,4.9 51.1,4.9 ; 37.4,114.4 53.9,114.4 ; 48.9,153.4 58.5,153.4 ; 51.1,4.9 67.4,4.9 ; 53.9,114.4 69.8,114.4 ; 58.5,153.4 91.9,153.4 ; 67.4,4.9 83.8,4.9 ; 69.8,114.4 86.4,114.4 ; 83.8,4.9 100.1,4.9 ; 86.4,114.4 102.4,114.4 ; 91.9,153.4 101.5,153.4 ; 100.1,4.9 116.5,4.9 ; 101.5,153.4 134.7,153.4 ; 102.4,114.4 118.4,114.4 ; J9.9@116.3,53.72 J9.7@116.3,56.26 J9.5@116.3,58.8 J9.3@116.3,61.34 ; 134.7,153.4 144.3,153.4 ; 144.3,153.4 176.9,153.4 ; 176.9,153.4 186.5,153.4 ; 186.5,153.4 219.2,153.4
  Bottom Layer w2: U46.1@105.55,38.55 U45.1@105.55,46.15 ; U47.1@105.55,76.55 U42.1@105.55,68.95 ; U45.1@105.672,46.15 U45.1@105.55,46.15 ; U42.1@105.672,68.95 U42.1@105.55,68.95 ; U45.1@105.55,46.15 105.55,53.628 105.55,61.35 U42.1@105.55,68.95
pads on no net: A63.1 A63.2 A63.3 A63.4 A63.5 A63.6 A63.7 A63.8 A63.9 A63.10 A63.11 A63.12 A63.13 A63.14 A63.15 A63.16 A64.1 A64.2 A64.3 A64.4 A64.5 A64.6 A64.7 A64.8 A64.9 A64.10 A64.11 A64.12 A64.13 A64.14 A64.15 A64.16 A65.1 A65.2 A65.3 A65.4 A65.5 A65.6 A65.7 A65.8 A65.9 A65.10 A65.11 A65.12 A65.13 A65.14 A65.15 A65.16 A66.1 A66.2 A66.3 A66.4 A66.5 A66.6 A66.7 A66.8 A66.9 A66.10 A66.11 A66.12 A66.13 A66.14 A66.15 A66.16 POWER.6 USB1.2 USB1.3
copper on no net: | length 43.7
  Bottom Layer w1: 44.1,44.8 38.7,44.8 ccw(c38.7,43.4) 37.3,43.4 37.3,38 ccw(c38.6,38) 38.6,36.7 38.9,36.7 64.7,36.7 66.5,38.5

## Keep-outs
Keep-Out Layer:
  lines w0.4: 1.993,159 264.25,159 cw(c264.25,157) 266.25,157 ; 2,159 ccw(c2,157) 0,157 0,2 ccw(c2,2) 2,0 264.25,0 ccw(c264.25,2) 266.25,2 ; 266.25,2 266.25,157

## Other copper
Bottom Layer:
  rectangle net GND: 118.84,53.752 129.518,61.34
  rectangle net GND: 9.025,34.7 34.15,40.75
  rectangle net U1_3: 45.7,68.1 51.3,71.9
  rectangle net U1_3: 51.3,64.3 57.3,74.6
  text "Kelee" at 64.866,37.704 h10

## Silkscreen, mask and mechanical layers (free items; w line width, h text height)
Top Overlay:
  lines w0.4: 45.8,66.8 48.2,66.8 ; 94.865,55.475 99.865,55.475 ; 51,64.5 ccw(c54.3,64.525) 57.6,64.5 57.6,74.5 ccw(c54.3,74.5) 51,74.5 51,64.5 ; 59.865,53.475 59.865,75.475 99.865,75.475 99.865,53.475 59.865,53.475
  lines w0.6: 41.3,49 42.4,47.9 ; 42.4,52.9 42.4,47.9 ; 43.5,49 42.4,47.9 ; 70.1,6 71.2,4.9 ; 70.1,18.5 71.2,19.6 ; 71.2,9.9 71.2,4.9 ; 71.2,14.6 71.2,19.6 ; 72.3,6 71.2,4.9 ; 72.3,18.5 71.2,19.6
  text "C" at 100.8,123.35 h6
  text "D" at 90.1,123.306 h6
  text "B" at 111.1,123.306 h6
  text "A" at 121.5,123.306 h6
  text "D" at 217.4,123.306 h6
  text "C" at 227.5,123.3 h6
  text "B" at 237.4,123.256 h6
  text "C" at 14.6,123.25 h6
  text "C" at 57.6,123.25 h6
  text "C" at 142.6,123.25 h6
  text "C" at 185.2,123.25 h6
  text "D" at 4.2,123.206 h6
  text "B" at 24.9,123.206 h6
  text "A" at 35.2,123.206 h6
  text "D" at 47.1,123.206 h6
  text "B" at 67.9,123.206 h6
  text "A" at 78.3,123.206 h6
  text "D" at 132.4,123.206 h6
  text "B" at 152.8,123.206 h6
  text "D" at 174.8,123.206 h6
  text "B" at 195.4,123.206 h6
  text "A" at 247.8,123.206 h6
  text "A" at 163.55,123.156 h6
  text "A" at 205.9,123.156 h6
  text "3" at 41.7,89.472 h6
  text "5" at 74.2,89.472 h6
  text "6" at 90.3,89.472 h6
  text "8" at 121.9,89.472 h6
  text "1" at 8.9,89.4 h6
  text "2" at 25.2,89.4 h6
  text "4" at 57.7,89.4 h6
  text "7" at 106.3,89.4 h6
  text "GND" at 126.6,80.267 h4
  text "VCC" at 102.6,79.967 h4
  text "Frequency" at 45,78.515 h4
  text "on" at 43.1,49.967 h4
  text "GND" at 50.9,47.367 h4
  text "数字电路实验平台" at 20.504,37.57 h10
  text "VCC" at 102.9,31.267 h4
  text "GND" at 127.3,31.267 h4
  text "3" at 41.5,20.772 h6
  text "5" at 74.4,20.772 h6
  text "6" at 90.6,20.772 h6
  text "8" at 123.2,20.772 h6
  text "1" at 9.2,20.7 h6
  text "2" at 24.9,20.7 h6
  text "4" at 57.9,20.7 h6
  text "7" at 107.2,20.7 h6
  text "1" at 73.5,15.337 h4
  text "0" at 73.1,6.267 h4
Bottom Overlay:
  text "R70~R93:10K" at 249.625,151.21 h4
  text "V1.1" at 231.275,2.998 h4

## Text inside footprints (layer, text, board x,y; h text height)
A63: Top Overlay "10" at 186.8,48.41 h5; Top Overlay "11" at 179.7,48.35 h5; Top Overlay "12" at 171.6,48.25 h5; Top Overlay "13" at 163.8,48.31 h5; Top Overlay "14" at 156.1,48.25 h5; Top Overlay "15" at 148.4,48.31 h5; Top Overlay "9" at 194.3,38.91 h5; Top Overlay "16" at 143,38.51 h5; Top Overlay "1" at 144.2,25.55 h5; Top Overlay "2" at 147.8,14.85 h5; Top Overlay "3" at 154.2,14.91 h5; Top Overlay "4" at 163.9,14.85 h5; Top Overlay "5" at 174,14.91 h5; Top Overlay "6" at 184.1,14.91 h5; Top Overlay "7" at 190,14.85 h5; Top Overlay "8" at 194.1,25.51 h5
A64: Top Overlay "10" at 246.55,48.41 h5; Top Overlay "11" at 239.45,48.35 h5; Top Overlay "12" at 231.35,48.25 h5; Top Overlay "13" at 223.55,48.31 h5; Top Overlay "14" at 215.85,48.25 h5; Top Overlay "15" at 208.15,48.31 h5; Top Overlay "9" at 254.05,38.91 h5; Top Overlay "16" at 202.75,38.51 h5; Top Overlay "1" at 203.95,25.55 h5; Top Overlay "2" at 207.55,14.85 h5; Top Overlay "3" at 213.95,14.91 h5; Top Overlay "4" at 223.65,14.85 h5; Top Overlay "5" at 233.75,14.91 h5; Top Overlay "6" at 243.85,14.91 h5; Top Overlay "7" at 249.75,14.85 h5; Top Overlay "8" at 253.85,25.51 h5
A65: Top Overlay "10" at 186.8,102.16 h5; Top Overlay "11" at 179.7,102.1 h5; Top Overlay "12" at 171.6,102 h5; Top Overlay "13" at 163.8,102.06 h5; Top Overlay "14" at 156.1,102 h5; Top Overlay "15" at 148.4,102.06 h5; Top Overlay "9" at 194.3,92.66 h5; Top Overlay "16" at 143,92.26 h5; Top Overlay "1" at 144.2,79.3 h5; Top Overlay "2" at 147.8,68.6 h5; Top Overlay "3" at 154.2,68.66 h5; Top Overlay "4" at 163.9,68.6 h5; Top Overlay "5" at 174,68.66 h5; Top Overlay "6" at 184.1,68.66 h5; Top Overlay "7" at 190,68.6 h5; Top Overlay "8" at 194.1,79.26 h5
A66: Top Overlay "10" at 246.55,102.16 h5; Top Overlay "11" at 239.45,102.1 h5; Top Overlay "12" at 231.35,102 h5; Top Overlay "13" at 223.55,102.06 h5; Top Overlay "14" at 215.85,102 h5; Top Overlay "15" at 208.15,102.06 h5; Top Overlay "9" at 254.05,92.66 h5; Top Overlay "16" at 202.75,92.26 h5; Top Overlay "1" at 203.95,79.3 h5; Top Overlay "2" at 207.55,68.6 h5; Top Overlay "3" at 213.95,68.66 h5; Top Overlay "4" at 223.65,68.6 h5; Top Overlay "5" at 233.75,68.66 h5; Top Overlay "6" at 243.85,68.66 h5; Top Overlay "7" at 249.75,68.6 h5; Top Overlay "8" at 253.85,79.26 h5
A75: Bottom Overlay "COMPLIANT" at 44.445,37.831 h0.76; Bottom Overlay "RoHS" at 44.038,42.098 h1.52